# Altium PCB MOTHER_BOARD_LS1021_v1.0.PcbDoc (part 12 of 15)
Units mm, origin at the board's own origin, x right, y up, seen from the top; angles counter-clockwise.
Board outline 285 x 90.6 mm, 10 copper layers (TOP, GND1, SIGNAL1, GND+PWR1, POWER1, POWER2, GND+PWR2, SIGNAL2, GND2, BOTTOM), stack 1.739 mm thick; 1099 components, 832 nets, 4657 pads, 2737 vias.
Unrouted connection lines stored in the file: 7.
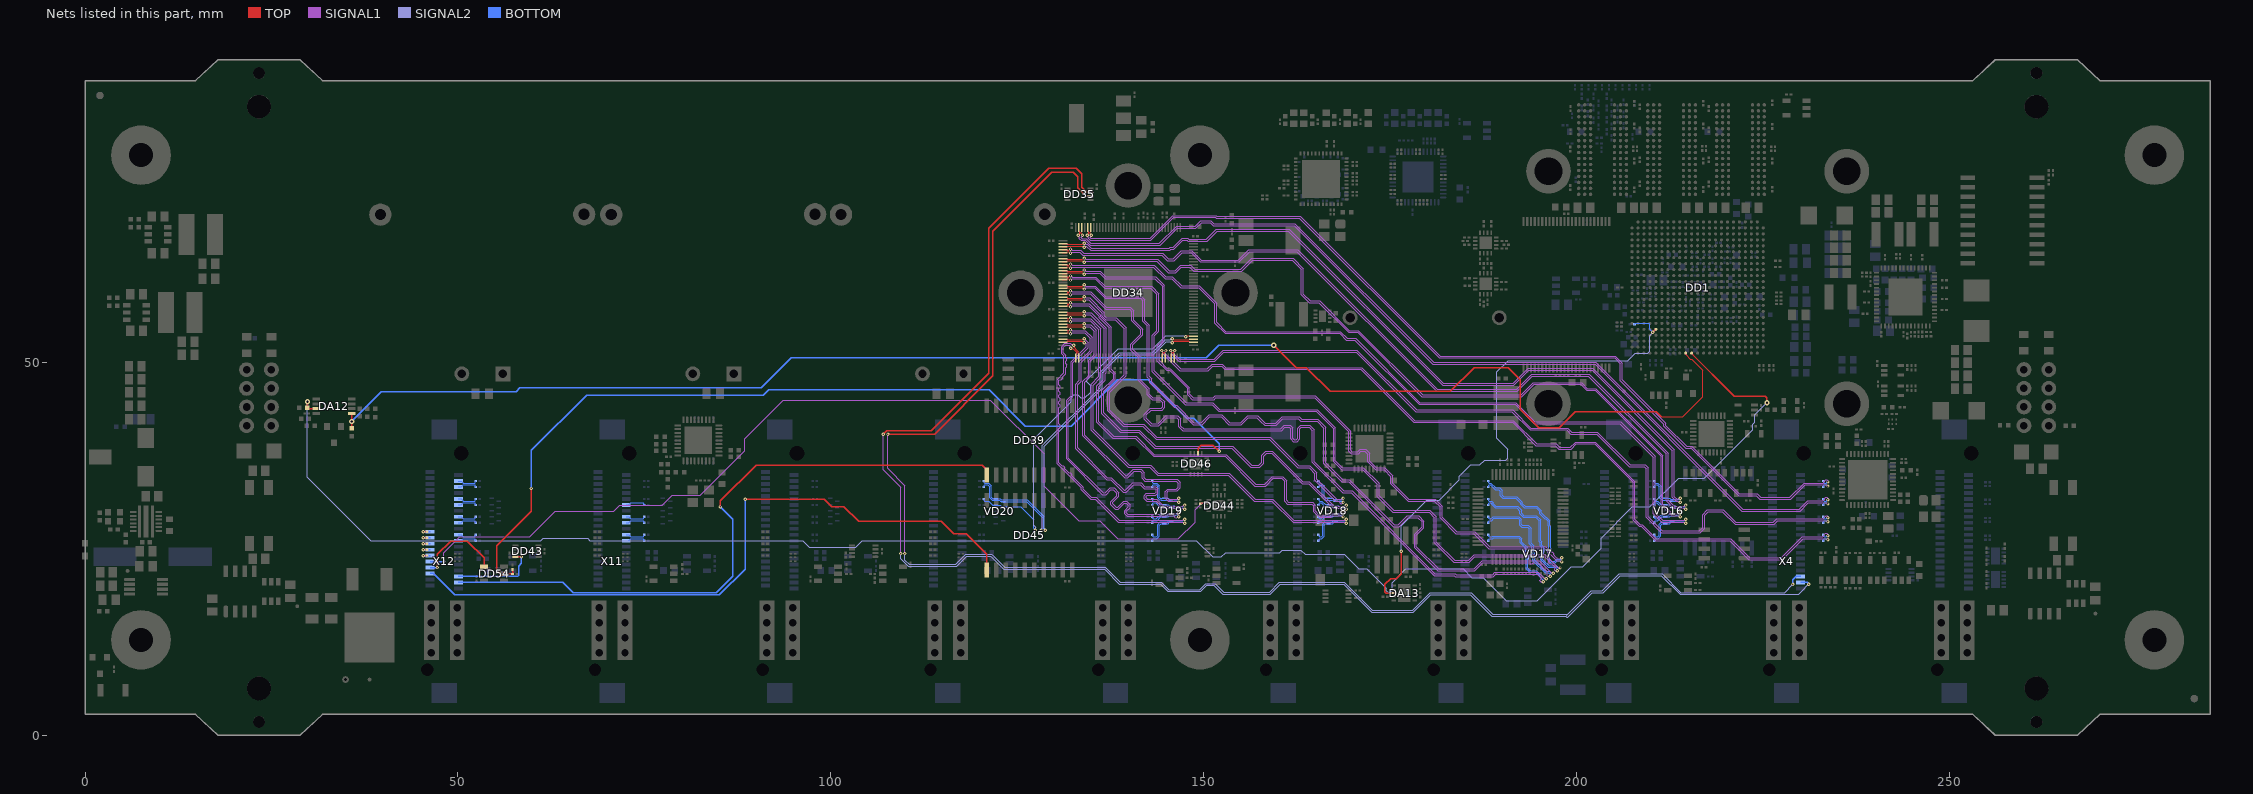
[diagram p20: the nets of this part, all layers, seen from the top]

## Via types
v1: diameter 0.45, hole 0.2, TOP to BOTTOM, tented both sides, 1587 vias
v2: diameter 0.7, hole 0.3, TOP to BOTTOM, tented both sides, 1134 vias
v3: diameter 0.45, hole 0.2, TOP to BOTTOM, tented bottom, 16 vias

## Nets (pads, with @x,y where several pads share a name; then routed paths per layer and width w, separated by ;. In a path a pad name is that pad's centre, name@x,y a point inside that pad or via, vN(x,y) a via of type N, cw(c..) or ccw(c..) an arc to the next point about the centre after c; other vN are vias at no path point) (continued)
P7_TXRX_B_P: C498.1 X11.30 | length 2.8
  BOTTOM w0.12: X11.30@72.575,30.9 72.925,30.9 73.115,31.09 73.115,31.12 73.185,31.19 73.446,31.19 74.566,31.19 74.845,31.19 74.915,31.12 74.915,30.985 C498.1@75,30.9
P7_TXRX_C_N: C483.1 X11.24 | length 2.8
  BOTTOM w0.12: X11.24@72.575,28.5 72.925,28.5 73.115,28.69 73.115,28.72 73.185,28.79 74.169,28.79 74.845,28.79 74.915,28.72 74.915,28.585 C483.1@75,28.5
P7_TXRX_C_P: C499.1 X11.26 | length 2.8
  BOTTOM w0.12: X11.26@72.575,29.3 72.925,29.3 73.115,29.11 73.115,29.08 73.185,29.01 74.063,29.01 74.845,29.01 74.915,29.08 74.915,29.215 C499.1@75,29.3
P7_TXRX_D_N: C484.1 X11.20 | length 2.8
  BOTTOM w0.12: X11.20@72.575,26.9 72.925,26.9 73.115,26.71 73.115,26.68 73.185,26.61 73.355,26.61 74.845,26.61 74.915,26.68 74.915,26.815 C484.1@75,26.9
P7_TXRX_D_P: C500.1 X11.18 | length 2.8
  BOTTOM w0.12: X11.18@72.575,26.1 72.925,26.1 73.115,26.29 73.115,26.32 73.185,26.39 73.446,26.39 74.845,26.39 74.915,26.32 74.915,26.185 C500.1@75,26.1
P8_INT: DD44.10 R327.1 X12.9 | length 128.8
  TOP w0.196: R327.1@149.55,31.05 149.601,31.102 v1(150.057,31.102) 150.623,31.102 DD44.10@150.675,31.05
  SIGNAL1 w0.113: v1(48.125,23.3) 48.125,24.475 50.25,26.6 59.6,26.6 63.05,30.05 70.925,30.05 71.729,30.854 77.395,30.854 78.74,32.2 82.475,32.2 88.444,38.169 88.444,39.785 93.609,44.95 121.4,44.95 128.604,37.746 128.604,33.396 133.232,28.768 136.057,28.768 138.496,26.329 146.629,26.329 148.875,28.575 148.875,30.251 149.725,31.102 v1(150.057,31.102)
  BOTTOM w0.196: X12.9@46.275,23.3 47.875,23.3 v1(48.125,23.3)
P8_MDC: DD39.11 X12.4 | length 87.7
  TOP w0.196: v1(85.2,30.625) 85.2,31.45 89.975,36.225 120.3,36.225 120.935,35.59 DD39.11@120.935,34.9
  BOTTOM w0.196: X12.4@50.075,20.5 64.075,20.5 65.45,19.125 84.625,19.125 86.825,21.325 86.825,29 v1(85.2,30.625)
P8_MDIO: DD43.8 X12.6 | length 11.7
  TOP w0.196: DD43.8@57.725,23.95 v1@58.625,23.95
  BOTTOM w0.196: X12.6@50.075,21.3 58,21.3 58.125,21.425 58.125,22.7 58.525,23.1 v1(58.525,23.95)
P8_PTP_SYNC: DD45.11 X12.5 | length 91.8
  TOP w0.196: v1(88.525,31.65) 99.148,31.65 100.15,30.648 101.764,30.648 103.737,28.675 114.85,28.675 116.525,27 118.2,27 120.935,24.265 DD45.11@120.935,22.175
  BOTTOM w0.196: X12.5@46.275,21.7 46.725,21.7 49.596,18.829 85.054,18.829 88.525,22.3 v1(88.525,31.65)
P8_RESET: DD54.4 X12.7 | length 11.9
  TOP w0.196: v1(47.25,22.5) 47.25,24.25 49.05,26.05 51.275,26.05 53.5,23.825 DD54.4@53.5,22.6
  BOTTOM w0.196: X12.7@46.275,22.5 v1(47.25,22.5)
P8_RST: DD46.10 DD54.2 R353.2 R354.2 | length 129.6
  TOP w0.196: R354.2@57.325,22.25 R353.2@57.325,21.65 DD54.2@56.2,21.65 55.775,21.65 55.225,22.2 55.225,25.429 59.85,30.054 v1(59.85,33.1) ; DD46.10@149.25,37.8 149.25,38.475 149.7,38.925 151.25,38.925 152.075,38.1 v1(152.075,38.075)
  BOTTOM w0.196: v1(59.85,33.1) 59.858,33.108 59.858,38.208 67.25,45.6 90.95,45.6 91.667,46.317 121.233,46.317 126.1,41.45 132.225,41.45 138.446,47.671 142.58,47.671 147.726,42.525 148.646,42.525 152.075,39.096 v1(152.075,38.075)
P8_SW_ADDR0: R360.2 X12.11 | length 1.4
  TOP w0.196: v1(45.35,24.1) R360.2@45.875,24.1
  BOTTOM w0.196: v1(45.35,24.1) X12.11@46.275,24.1
P8_SW_ADDR1: R361.2 X12.13 | length 1.4
  TOP w0.196: v1(45.35,24.9) R361.2@45.875,24.9
  BOTTOM w0.196: v1(45.35,24.9) X12.13@46.275,24.9
P8_SW_ADDR2: R362.2 X12.15 | length 1.4
  TOP w0.196: v1(45.35,25.7) R362.2@45.875,25.7
  BOTTOM w0.196: v1(45.35,25.7) X12.15@46.275,25.7
P8_SW_ADDR3: R363.2 X12.17 | length 1.4
  TOP w0.196: v1(45.35,26.5) R363.2@45.875,26.5
  BOTTOM w0.196: v1(45.35,26.5) X12.17@46.275,26.5
P8_SW_ADDR4: R364.2 X12.19 | length 1.4
  TOP w0.196: v1(45.35,27.3) R364.2@45.875,27.3
  BOTTOM w0.196: v1(45.35,27.3) X12.19@46.275,27.3
P8_TXRX_A_N: C485.1 X12.36 | length 2.7
  BOTTOM w0.12: X12.36@50.075,33.3 50.425,33.3 50.615,33.49 50.615,33.52 50.685,33.59 51.347,33.59 52.245,33.59 52.315,33.52 52.315,33.385 C485.1@52.4,33.3
P8_TXRX_A_P: C501.1 X12.38 | length 2.7
  BOTTOM w0.12: X12.38@50.075,34.1 50.425,34.1 50.615,33.91 50.615,33.88 50.685,33.81 51.256,33.81 52.245,33.81 52.315,33.88 52.315,34.015 C501.1@52.4,34.1
P8_TXRX_B_N: C486.1 X12.32 | length 2.7
  BOTTOM w0.12: X12.32@50.075,31.7 50.425,31.7 50.615,31.51 50.615,31.48 50.685,31.41 50.855,31.41 51.972,31.41 52.245,31.41 52.315,31.48 52.315,31.615 C486.1@52.4,31.7
P8_TXRX_B_P: C502.1 X12.30 | length 2.7
  BOTTOM w0.12: X12.30@50.075,30.9 50.425,30.9 50.615,31.09 50.615,31.12 50.685,31.19 50.946,31.19 51.881,31.19 52.245,31.19 52.315,31.12 52.315,30.985 C502.1@52.4,30.9
P8_TXRX_C_N: C487.1 X12.24 | length 2.7
  BOTTOM w0.12: X12.24@50.075,28.5 50.425,28.5 50.615,28.69 50.615,28.72 50.685,28.79 51.319,28.79 52.245,28.79 52.315,28.72 52.315,28.585 C487.1@52.4,28.5
P8_TXRX_C_P: C503.1 X12.26 | length 2.7
  BOTTOM w0.12: X12.26@50.075,29.3 50.425,29.3 50.615,29.11 50.615,29.08 50.685,29.01 51.213,29.01 52.245,29.01 52.315,29.08 52.315,29.215 C503.1@52.4,29.3
P8_TXRX_D_N: C488.1 X12.20 | length 2.7
  BOTTOM w0.12: X12.20@50.075,26.9 50.425,26.9 50.615,26.71 50.615,26.68 50.685,26.61 50.855,26.61 52.245,26.61 52.315,26.68 52.315,26.815 C488.1@52.4,26.9
P8_TXRX_D_P: C504.1 X12.18 | length 2.7
  BOTTOM w0.12: X12.18@50.075,26.1 50.425,26.1 50.615,26.29 50.615,26.32 50.685,26.39 50.946,26.39 52.245,26.39 52.315,26.32 52.315,26.185 C504.1@52.4,26.1
P9_P10_MDC: DD35.7 X4.4 | length 209.1
  TOP w0.196: v1(107.05,40.375) 107.5,40.825 113.45,40.825 121.175,48.55 121.175,68.014 129.236,76.075 132.9,76.075 133.675,75.3 133.675,73.525 134.4,72.8 DD35.7@134.85,72.8
  SIGNAL1 w0.113: v1(107.05,40.375) 107.05,35.6 109.394,33.256 v1(109.394,24.375)
  SIGNAL2 w0.113: v1(109.394,24.375) 109.394,23.685 110.391,22.687 116.896,22.687 118.208,24 121.453,24 123.203,22.25 136.728,22.25 138.703,20.275 144.228,20.275 145.216,19.287 149.587,19.287 150.431,20.131 151.385,20.131 152.58,18.937 158.96,18.937 160.273,20.25 168.778,20.25 172.516,16.512 178.112,16.512 180.45,18.85 185.753,18.85 188.641,15.962 198.565,15.962 198.69,15.837 198.837,15.837 202.112,19.112 203.587,19.112 205.875,21.4 211.378,21.4 213.891,18.887 229.787,18.887 230.661,19.761 230.661,19.858 231.078,20.275 v1(231.175,20.275)
  BOTTOM w0.196: X4.4@230.075,20.5 230.95,20.5 v1(231.175,20.275)
P9_P10_MDIO: DD35.6 X4.6 | length 205.7
  TOP w0.196: v1(107.675,40.372) 113.922,40.372 121.75,48.2 121.75,67.625 129.637,75.512 132.518,75.512 133.15,74.88 133.15,73.425 134.275,72.3 DD35.6@134.85,72.3
  SIGNAL1 w0.113: v1(107.675,40.372) 107.675,35.853 107.625,35.803 109.944,33.484 v1(109.944,24.375)
  SIGNAL2 w0.113: v1(109.944,24.375) 109.944,23.506 110.5,22.95 116.787,22.95 118.1,24.263 121.562,24.263 123.312,22.513 136.837,22.513 138.812,20.538 144.337,20.538 145.325,19.55 149.478,19.55 150.273,20.344 151.544,20.344 152.689,19.2 158.851,19.2 160.164,20.513 168.887,20.513 172.625,16.775 178.041,16.775 180.379,19.113 185.862,19.113 188.75,16.225 198.603,16.225 198.728,16.1 202.003,19.375 203.478,19.375 205.766,21.663 211.487,21.663 214,19.15 227.91,19.15 v1(229.036,20.276)
  BOTTOM w0.196: v1(229.036,20.276) 229.025,20.287 229.025,20.85 229.475,21.3 X4.6@230.075,21.3
P9_SGMII_RX_N: C535.1 DD34.103 | length 121.1
  TOP w0.12: DD34.103@134.875,68.075 134.875,67.58 134.785,67.49 134.785,67.285 134.95,67.12 v1(134.95,67.05)
  SIGNAL1 w0.075: v1(134.95,67.05) 134.95,66.966 134.802,66.819 134.802,66.733 134.895,66.641 142.816,66.641 145.88,69.705 151.677,69.705 151.778,69.605 162.956,69.605 181.706,50.855 205.231,50.855 206.16,49.925 206.16,47.665 211.974,41.851 211.974,41.536 214.761,38.75 215.475,38.75 221.863,32.363 224.238,32.363 224.695,31.905 228.63,31.905 230.552,33.827 233.125,33.827 233.225,33.927 233.225,34.075 233.425,34.275 233.6,34.275 233.725,34.15 v1(233.725,33.975)
  BOTTOM w0.12: C535.1@233.075,34.1 233.16,34.015 233.16,33.88 233.23,33.81 233.49,33.81 233.655,33.975 v1(233.725,33.975)
P9_SGMII_RX_P: C534.1 DD34.104 | length 121.1
  TOP w0.12: v1(134.4,67.05) 134.4,67.12 134.565,67.285 134.565,67.49 134.475,67.58 DD34.104@134.475,68.075
  SIGNAL1 w0.075: v1(134.4,67.05) 134.4,66.966 134.547,66.819 134.547,66.628 134.789,66.386 142.922,66.386 145.986,69.45 151.572,69.45 151.672,69.35 162.85,69.35 181.6,50.6 205.125,50.6 205.905,49.82 205.905,47.559 211.719,41.745 211.719,41.431 214.655,38.495 215.369,38.495 221.757,32.107 224.132,32.107 224.589,31.65 228.736,31.65 230.658,33.572 233.494,33.572 233.641,33.425 v1(233.725,33.425)
  BOTTOM w0.12: C534.1@233.075,33.3 233.16,33.385 233.16,33.52 233.23,33.59 233.49,33.59 233.655,33.425 v1(233.725,33.425)
P9_SGMII_TX_N: C537.1 DD34.106 | length 121.1
  TOP w0.12: DD34.106@133.675,68.075 133.675,67.58 133.585,67.49 133.585,67.285 133.75,67.12 v1(133.75,67.05)
  SIGNAL1 w0.075: v1(133.75,67.05) 133.75,66.966 133.602,66.819 133.602,66.72 133.705,66.617 134.231,66.617 134.893,65.955 144.08,65.955 146.375,68.25 148.864,68.25 149.619,69.005 150.983,69.005 151.383,68.605 162.245,68.605 180.845,50.005 202.613,50.005 222.293,30.325 229.892,30.325 230.994,31.427 233.039,31.427 233.3,31.688 233.3,31.775 233.425,31.9 233.6,31.9 233.725,31.775 v1(233.725,31.575)
  BOTTOM w0.12: C537.1@233.075,31.7 233.16,31.615 233.16,31.48 233.23,31.41 233.49,31.41 233.655,31.575 v1(233.725,31.575)
P9_SGMII_TX_P: C536.1 DD34.107 | length 121.1
  TOP w0.12: v1(133.2,67.05) 133.2,67.12 133.365,67.285 133.365,67.49 133.275,67.58 DD34.107@133.275,68.075
  SIGNAL1 w0.075: v1(133.2,67.05) 133.2,66.966 133.347,66.819 133.347,66.615 133.6,66.362 134.125,66.362 134.788,65.7 144.186,65.7 146.481,67.995 148.97,67.995 149.725,68.75 150.877,68.75 151.277,68.35 162.139,68.35 180.739,49.75 202.507,49.75 222.187,30.07 229.997,30.07 231.1,31.172 233.494,31.172 233.641,31.025 v1(233.725,31.025)
  BOTTOM w0.12: C536.1@233.075,30.9 233.16,30.985 233.16,31.12 233.23,31.19 233.49,31.19 233.655,31.025 v1(233.725,31.025)
P10_SGMII_RX_N: C531.1 DD34.30 | length 108.5
  TOP w0.12: v1(144.4,51.6) 144.4,51.53 144.565,51.365 144.565,51.16 144.475,51.07 DD34.30@144.475,50.575
  SIGNAL1 w0.075: v1(144.4,51.6) 144.4,51.516 144.547,51.369 144.547,51.157 146.834,48.87 150.606,48.87 151.236,49.5 152.4,49.5 152.843,49.057 171.093,49.057 178.197,41.953 191.437,41.953 194.559,38.832 197.179,38.832 197.647,38.363 199.274,38.363 199.986,39.075 202.425,39.075 207.595,33.905 207.595,28.849 208.437,28.007 208.707,28.007 210.614,26.1 220.564,26.1 223.119,23.545 227.57,23.545 230.397,26.372 233.494,26.372 233.641,26.225 v1(233.725,26.225)
  BOTTOM w0.12: C531.1@233.075,26.1 233.16,26.185 233.16,26.32 233.23,26.39 233.49,26.39 233.655,26.225 v1(233.725,26.225)
P10_SGMII_RX_P: C530.1 DD34.31 | length 108.5
  TOP w0.12: DD34.31@144.875,50.575 144.875,51.07 144.785,51.16 144.785,51.365 144.95,51.53 v1(144.95,51.6)
  SIGNAL1 w0.075: v1(144.95,51.6) 144.95,51.516 144.802,51.369 144.802,51.262 146.94,49.125 150.5,49.125 151.13,49.755 152.506,49.755 152.948,49.312 171.198,49.312 178.302,42.208 191.543,42.208 194.664,39.087 197.285,39.087 197.753,38.618 199.168,38.618 199.88,39.33 202.531,39.33 207.85,34.011 207.85,28.955 208.543,28.262 208.813,28.262 210.72,26.355 220.67,26.355 223.225,23.8 227.464,23.8 230.292,26.627 233.039,26.627 233.25,26.838 233.25,26.95 233.4,27.1 233.6,27.1 233.725,26.975 v1(233.725,26.775)
  BOTTOM w0.12: C530.1@233.075,26.9 233.16,26.815 233.16,26.68 233.23,26.61 233.49,26.61 233.655,26.775 v1(233.725,26.775)
P10_SGMII_TX_N: C533.1 DD34.33 | length 108.5
  TOP w0.12: v1(145.6,51.6) 145.6,51.53 145.765,51.365 145.765,51.16 145.675,51.07 DD34.33@145.675,50.575
  SIGNAL1 w0.075: v1(145.6,51.6) 145.6,51.516 145.747,51.369 145.747,51.094 146.647,50.195 151.515,50.195 152.715,51.395 170.45,51.395 178.47,43.375 191.348,43.375 193.773,40.95 198.706,40.95 199.25,40.405 202.704,40.405 207.086,36.023 209.102,36.023 209.345,35.78 209.345,29.219 211.394,27.17 216.606,27.17 217.18,27.744 217.18,29.505 217.675,30 219.575,30 221.28,28.295 226.495,28.295 226.972,28.772 233.494,28.772 233.641,28.625 v1(233.725,28.625)
  BOTTOM w0.12: C533.1@233.075,28.5 233.16,28.585 233.16,28.72 233.23,28.79 233.49,28.79 233.655,28.625 v1(233.725,28.625)
P10_SGMII_TX_P: C532.1 DD34.34 | length 108.5
  TOP w0.12: DD34.34@146.075,50.575 146.075,51.07 145.985,51.16 145.985,51.365 146.15,51.53 v1(146.15,51.6)
  SIGNAL1 w0.075: v1(146.15,51.6) 146.15,51.516 146.002,51.369 146.002,51.2 146.753,50.45 151.409,50.45 152.609,51.65 170.556,51.65 178.576,43.63 191.454,43.63 191.495,43.589 193.879,41.205 198.812,41.205 199.356,40.66 202.81,40.66 207.192,36.278 209.207,36.278 209.6,35.886 209.6,29.325 211.5,27.425 216.5,27.425 216.925,27.85 216.925,29.611 217.569,30.255 219.681,30.255 221.386,28.55 226.389,28.55 226.867,29.027 233.134,29.027 233.25,29.143 233.25,29.25 233.475,29.475 233.65,29.475 233.725,29.4 v1(233.725,29.175)
  BOTTOM w0.12: C532.1@233.075,29.3 233.16,29.215 233.16,29.08 233.23,29.01 233.49,29.01 233.655,29.175 v1(233.725,29.175)
PERIPH_RST: DA13.8 DD1.E5 R66.1 | length 70.3
  TOP w0.196: DA13.8@175.525,19.075 174.525,19.075 174.325,19.275 174.325,20.275 175.075,21.025 175.83,21.025 176.5,21.695 v1(176.5,24.675) ; v1(210.25,54.05) DD1.E5@210.65,54.45
  SIGNAL2 w0.113: v1(176.5,24.675) 176.5,28.125 179.925,31.55 181.575,31.55 184.3,34.275 184.3,34.75 185.8,36.25 187.05,36.25 187.7,36.9 190.525,36.9 190.775,37.15 190.775,38.384 189.325,39.834 189.325,48.725 190.825,50.225 206.875,50.225 207.881,51.231 209.571,51.231 209.831,51.492 209.831,53.591 210.25,54.009 v1(210.25,54.05)
  BOTTOM w0.149: R66.1@207.775,55.125 207.9,55.25 209.717,55.25 209.85,55.117 209.85,54.45 v1(210.25,54.05)
PG1: DA12.1 DD1.K1 R37.1 | length 206.1
  TOP w0.149: 211.375,42.725 214.275,42.725 216.925,45.375 216.925,48.971 215.452,50.444 215.294,50.444 214.65,51.087 DD1.K1@214.65,51.25
  TOP w0.196: R37.1@35.775,41.2 v2(35.775,42.1) DA12.1@35.775,43.15 ; v2(159.4,52.3) 162.4,49.3 163.784,49.3 166.977,46.107 183.096,46.107 186.289,49.3 190.85,49.3 192.448,47.702 192.448,43.729 194.925,41.252 197.702,41.252 199.863,43.412 210.688,43.412 211.375,42.725
  BOTTOM w0.196: v2(35.775,42.1) 35.775,42.15 39.727,46.102 57.802,46.102 58.325,46.625 90.675,46.625 94.675,50.625 150.375,50.625 152.05,52.3 v2(159.4,52.3)
PG2: DA12.7 DD1.L1 R38.1 | length 246
  TOP w0.149: DD1.L1@215.45,51.25 215.58,51.119 215.58,51.02 218.199,48.401
  TOP w0.196: v2(29.825,44.725) R38.1@29.825,43.9 29.925,43.8 DA12.7@30.975,43.8 ; 218.199,48.401 221.152,45.448 225.35,45.448 225.55,45.248 225.55,44.65 225.525,44.625 225.534,44.625 v2(225.55,44.609)
  SIGNAL2 w0.113: v2(29.825,44.725) 29.825,34.575 38.282,26.118 61.127,26.118 61.415,26.406 67.404,26.406 67.692,26.118 96.223,26.118 97.116,25.225 103.357,25.225 104.25,26.118 149.019,26.118 151.212,23.925 152.375,23.925 152.95,24.5 160.2,24.5 160.55,24.85 163.05,24.85 163.65,24.25 168.85,24.25 170.775,22.325 171.9,22.325 174.519,19.706 174.519,19.417 174.76,19.175 175.05,19.175 175.282,19.406 175.282,20.488 177.1,22.307 184.798,22.307 185.955,21.15 187.5,21.15 190.575,18.075 194.775,18.075 199.3,22.6 200.85,22.6 203.31,25.06 203.31,26.46 207.494,30.643 209.86,30.643 213.691,34.475 217.165,34.475 223.668,40.979 223.668,41.704 223.931,41.967 223.931,42.99 v2(225.55,44.609)
PHY1_TXRX_A_N: C457.2 DD34.111 VD16.6 | length 110.2
  TOP w0.12: DD34.111@131.125,65.525 131.62,65.525 131.71,65.615 133.74,65.615 133.905,65.45 v1(133.975,65.45)
  SIGNAL1 w0.075: v1(133.975,65.45) 134.059,65.45 134.206,65.597 134.282,65.597 134.835,65.045 145.507,65.045 145.625,65.162 146.011,65.162 147.223,66.375 147.777,66.375 147.877,66.275 150.486,66.275 151.823,67.612 161.377,67.612 182.064,46.925 191.6,46.925 193.62,48.945 202.105,48.945 212.875,38.175 212.875,31.914 213.407,31.382 213.669,31.382 213.816,31.235 v1(213.9,31.235)
  BOTTOM w0.12: C457.2@210.425,33.3 210.51,33.385 210.51,33.52 210.58,33.59 210.845,33.59 211.13,33.305 211.13,31.884 211.434,31.58 211.519,31.58 211.559,31.54 212.434,31.54 212.534,31.44 212.835,31.44 VD16.6@212.875,31.4 213.665,31.4 213.83,31.235 v1(213.9,31.235)
PHY1_TXRX_A_P: C441.2 DD34.110 VD16.5 | length 110.2
  TOP w0.12: DD34.110@131.125,65.925 131.62,65.925 131.71,65.835 133.74,65.835 133.905,66 v1(133.975,66)
  SIGNAL1 w0.075: v1(133.975,66) 134.059,66 134.206,65.852 134.388,65.852 134.94,65.3 145.402,65.3 145.519,65.417 145.905,65.417 147.118,66.63 147.882,66.63 147.982,66.53 150.38,66.53 151.717,67.867 161.483,67.867 182.17,47.18 191.494,47.18 193.514,49.2 202.211,49.2 213.13,38.281 213.13,32.02 213.513,31.637 213.669,31.637 213.816,31.785 v1(213.9,31.785)
  BOTTOM w0.12: C441.2@210.425,34.1 210.51,34.015 210.51,33.88 210.58,33.81 210.936,33.81 211.35,33.396 211.35,31.975 211.525,31.8 VD16.5@211.925,31.8 212.485,31.8 212.625,31.66 213.26,31.66 213.3,31.62 213.665,31.62 213.83,31.785 v1(213.9,31.785)
PHY1_TXRX_B_N: C458.2 DD34.112 VD16.4 | length 110.2
  TOP w0.12: DD34.112@131.125,65.125 131.62,65.125 131.71,65.035 131.915,65.035 132.08,65.2 v1(132.15,65.2)
  SIGNAL1 w0.075: v1(132.15,65.2) 132.234,65.2 132.381,65.052 133.492,65.052 133.914,64.63 144.506,64.63 145.248,63.887 145.925,63.887 147.018,64.98 148.439,64.98 149.68,63.739 154.675,63.739 156.066,65.13 162.62,65.13 181.345,46.405 191.969,46.405 193.989,48.425 201.7,48.425 212.28,37.845 212.28,31.545 213.088,30.737 214.444,30.737 214.591,30.885 v1(214.675,30.885)
  BOTTOM w0.12: C458.2@210.425,31.7 210.51,31.615 210.51,31.48 210.58,31.41 210.88,31.41 211.39,30.9 VD16.4@211.925,30.9 212.485,30.9 212.625,30.76 213.26,30.76 213.3,30.72 214.44,30.72 214.605,30.885 v1(214.675,30.885)
PHY1_TXRX_B_P: C442.2 DD34.113 VD16.7 | length 110.2
  TOP w0.12: DD34.113@131.125,64.725 131.62,64.725 131.71,64.815 131.915,64.815 132.08,64.65 v1(132.15,64.65)
  SIGNAL1 w0.075: v1(132.15,64.65) 132.234,64.65 132.381,64.797 133.386,64.797 133.809,64.375 144.4,64.375 145.143,63.632 146.031,63.632 147.123,64.725 148.333,64.725 148.696,64.362 149.574,63.484 154.781,63.484 156.172,64.875 162.514,64.875 181.239,46.15 192.075,46.15 194.095,48.17 201.594,48.17 212.025,37.739 212.025,31.439 212.982,30.482 214.444,30.482 214.591,30.335 v1(214.675,30.335)
  BOTTOM w0.12: C442.2@210.425,30.9 210.51,30.985 210.51,31.12 210.58,31.19 210.789,31.19 211.299,30.68 211.519,30.68 211.559,30.64 212.434,30.64 212.534,30.54 212.835,30.54 VD16.7@212.875,30.5 214.44,30.5 214.605,30.335 v1(214.675,30.335)
PHY1_TXRX_C_N: C459.2 DD34.116 VD16.2 | length 110.2
  TOP w0.12: DD34.116@131.125,63.525 131.62,63.525 131.71,63.615 133.74,63.615 133.905,63.45 v1(133.975,63.45)
  SIGNAL1 w0.075: v1(133.975,63.45) 134.059,63.45 134.206,63.597 143.717,63.597 145.282,62.032 146.279,62.032 147.009,62.762 148.152,62.762 148.682,62.232 155.093,62.232 156.561,63.7 161.9,63.7 163.125,62.475 163.125,59.064 164.169,58.02 165.455,58.02 169.45,54.025 170.65,54.025 179.275,45.4 192.675,45.4 194.325,47.05 200.573,47.05 201.373,46.25 202.5,46.25 211.35,37.4 211.35,30.864 212.752,29.462 213.669,29.462 213.816,29.315 v1(213.9,29.315)
  BOTTOM w0.12: C459.2@210.425,28.5 210.51,28.585 210.51,28.72 210.58,28.79 210.915,28.79 211.425,29.3 VD16.2@211.925,29.3 212.485,29.3 212.625,29.44 213.26,29.44 213.3,29.48 213.665,29.48 213.83,29.315 v1(213.9,29.315)
PHY1_TXRX_C_P: C443.2 DD34.115 VD16.8 | length 110.2
  TOP w0.12: DD34.115@131.125,63.925 131.62,63.925 131.71,63.835 133.74,63.835 133.905,64 v1(133.975,64)
  SIGNAL1 w0.075: v1(133.975,64) 134.059,64 134.206,63.852 143.823,63.852 145.388,62.287 146.173,62.287 146.903,63.017 148.258,63.017 148.788,62.487 154.987,62.487 156.455,63.955 162.006,63.955 163.38,62.581 163.38,59.17 164.275,58.275 165.561,58.275 169.556,54.28 170.756,54.28 179.381,45.655 192.569,45.655 194.219,47.305 200.678,47.305 201.478,46.505 202.606,46.505 211.605,37.506 211.605,30.97 212.858,29.717 213.669,29.717 213.816,29.865 v1(213.9,29.865)
  BOTTOM w0.12: C443.2@210.425,29.3 210.51,29.215 210.51,29.08 210.58,29.01 210.824,29.01 211.334,29.52 211.519,29.52 211.559,29.56 212.434,29.56 212.534,29.66 212.835,29.66 VD16.8@212.875,29.7 213.665,29.7 213.83,29.865 v1(213.9,29.865)
PHY1_TXRX_D_N: C460.2 DD34.117 VD16.9 | length 110.2
  TOP w0.12: DD34.117@131.125,63.125 131.62,63.125 131.71,63.035 131.915,63.035 132.08,63.2 v1(132.15,63.2)
  SIGNAL1 w0.075: v1(132.15,63.2) 132.234,63.2 132.381,63.052 143.383,63.052 144.931,61.505 145.818,61.505 147.036,60.287 149.436,60.287 151.755,57.968 151.755,55.37 152.975,54.15 168.336,54.15 169.256,53.23 170.406,53.23 179.017,44.619 191.872,44.619 194.429,42.062 205.918,42.062 210.555,37.425 210.555,29.806 211.543,28.817 214.444,28.817 214.591,28.965 v1(214.675,28.965)
  BOTTOM w0.12: C460.2@210.425,26.9 210.51,26.815 210.51,26.68 210.58,26.61 210.895,26.61 211.105,26.82 211.105,28.291 211.434,28.62 211.519,28.62 211.559,28.66 212.434,28.66 212.534,28.76 212.835,28.76 VD16.9@212.875,28.8 214.44,28.8 214.605,28.965 v1(214.675,28.965)
PHY1_TXRX_D_P: C444.2 DD34.118 VD16.1 | length 110.2
  TOP w0.12: DD34.118@131.125,62.725 131.62,62.725 131.71,62.815 131.915,62.815 132.08,62.65 v1(132.15,62.65)
  SIGNAL1 w0.075: v1(132.15,62.65) 132.234,62.65 132.381,62.797 143.278,62.797 144.825,61.25 145.713,61.25 146.93,60.032 149.33,60.032 151.5,57.863 151.5,55.264 152.869,53.895 168.23,53.895 169.15,52.975 170.3,52.975 178.911,44.364 191.767,44.364 194.323,41.807 205.812,41.807 210.3,37.319 210.3,29.7 211.438,28.562 214.444,28.562 214.591,28.415 v1(214.675,28.415)
  BOTTOM w0.12: C444.2@210.425,26.1 210.51,26.185 210.51,26.32 210.58,26.39 210.986,26.39 211.325,26.729 211.325,28.2 211.525,28.4 VD16.1@211.925,28.4 212.485,28.4 212.625,28.54 213.26,28.54 213.3,28.58 214.44,28.58 214.605,28.415 v1(214.675,28.415)
PHY2_TXRX_A_N: C461.2 DD34.120 VD17.6 | length 113